# Altium PCB Udemy_Project.PcbDoc (part 2 of 2)
Units mm, origin at the board's own origin, x right, y up, seen from the top; angles counter-clockwise.
Board outline 107.1 x 94.1 mm, 4 copper layers (Top Layer, GROUND, POWER, Bottom Layer), stack 1.369 mm thick; 125 components, 88 nets, 445 pads, 147 vias.
Unrouted connection lines stored in the file: 2.
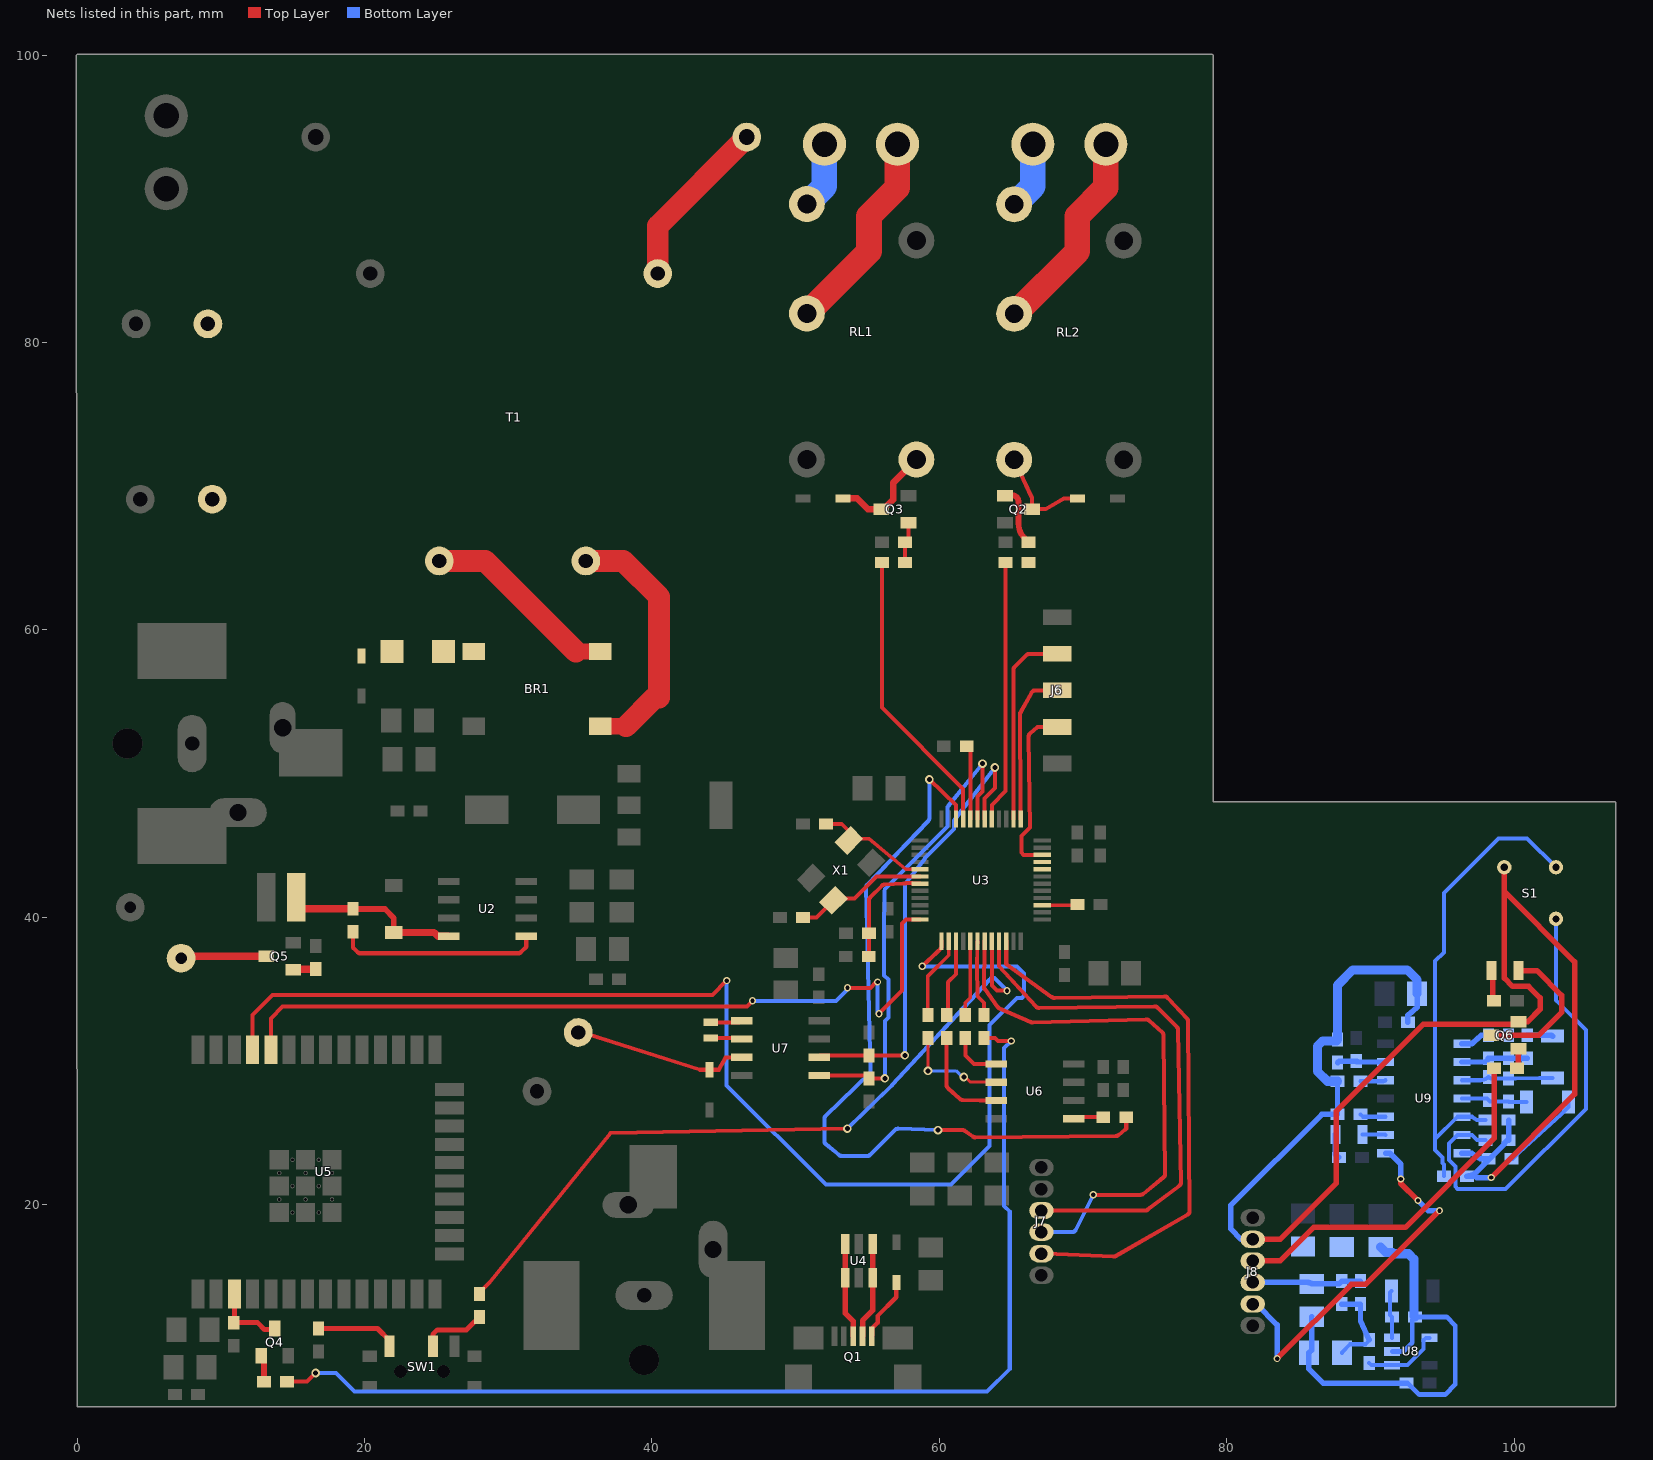
[diagram p4: the nets of this part, all layers, seen from the top]

## Via types
v1: diameter 0.6, hole 0.35, Top Layer to Bottom Layer, tented both sides, 103 vias
v2: diameter 0.5, hole 0.3, POWER to Bottom Layer, tented both sides, 22 vias
v3: diameter 0.5, hole 0.3, Top Layer to POWER, tented both sides, 21 vias
v4: diameter 0.5, hole 0.3, Top Layer to Bottom Layer, tented both sides, 1 vias

## Nets (pads, with @x,y where several pads share a name; then routed paths per layer and width w, separated by ;. In a path a pad name is that pad's centre, name@x,y a point inside that pad or via, vN(x,y) a via of type N, cw(c..) or ccw(c..) an arc to the next point about the centre after c; other vN are vias at no path point) (continued)
GND_S: C35.1 C37.1 C38.1 C39.1 C40.1 C41.2 C42.1 C43.1 C44.1 C45.1 C46.1 J8.2 Q6.2 R23.1 R24.1 R28.1 R32.1 R33.1 S1.3 U8.2 U9.7 | length 141
  Top Layer w0.381: J8.2@81.8,17.6 83.7,17.6 87.6,21.5 87.6,26.5 93.668,32.568 100.108,32.568 Q6.2@100.29,32.75 100.94,32.75 101.8,33.61 101.8,34.4 101,35.2 99.88,35.2 99.308,35.771 99.308,41.792 ; v2(98.4,21.9) 104.2,27.7 104.2,36.9 99.308,41.792 ; S1.3@99.308,43.492 99.308,41.792
  Bottom Layer w0.33: U8.2@91.5,9.8 92.3,9.8 92.9,10.4 92.9,12 R24.1@93.1,12.2 95.3,12.2 95.9,11.6 95.9,7.5 95.2,6.8 93.389,6.8 92.589,7.6 C37.1@92.5,7.6
  Bottom Layer w0.381: J8.2@81.8,17.6 81,17.6 80.281,18.319 80.281,19.974 86.607,26.3 R32.1@87.7,26.3 R33.1@87.7,28.6 ; C40.1@85.9,12.214 85.9,9.886 C39.1@85.714,9.7 85.714,8.586 86.7,7.6 C37.1@92.5,7.6 ; C43.1@92.6,32.7 92.6,33.194 93.243,33.75 C42.1@93.243,34.7 ; U9.7@96.36,23.59 97.05,23.59 97.617,23.2 R23.1@98.2,23.2 R23.1@98.289,23.2 ; v2(98.4,21.9) 97.383,21.9 97.283,22 C38.1@96.7,22 ccw(c96.7,22.939) 97.364,22.275 R23.1@98.289,23.2 ; R28.1@99.6,25.9 99.6,25.406 99.6,24.994 C35.1@99.6,24.5 99.511,24.5 99.308,24.297 99.308,24.219 R23.1@98.289,23.2
  Bottom Layer w0.635: R33.1@87.7,28.6 87,28.6 86.3,29.3 86.3,31.039 86.672,31.411 87.624,31.411 87.7,31.487 C41.2@87.7,31.5 87.7,35.272 88.774,36.346 92.547,36.346 93.243,35.65 C42.1@93.243,34.7 ; C44.1@90.7,17.057 91.083,16.675 91.53,16.675 91.604,16.6 92.639,16.6 93.011,16.228 93.011,12.276 93.087,12.2 R24.1@93.1,12.2
  other v3: 98.4,21.9
LED_DRIVER: J7.3 U3.21 | length 37.2
  Top Layer w0.279: U3.21@64.15,38.35 64.15,36.809 64.15,36.603 66.716,33.793 ccw(c66.922,33.981) 66.926,33.702 74.982,33.799 ; J7.3@67.1,19.6 74.307,19.6 ccw(c74.307,19.879) 74.475,19.656 76.685,21.314 ccw(c76.518,21.538) 76.797,21.542 ; 74.983,33.799 cw(c74.986,33.519) 75.183,33.717 76.52,32.38 ; 76.521,32.379 cw(c76.323,32.182) 76.602,32.187 76.797,21.543
LED_S: J8.3 R36.1 | length 25.2
  Top Layer w0.381: J8.3@81.8,16.1 83.7,16.1 86.039,18.439 92.421,18.439 98.6,24.618 R36.1@98.6,29.5
LIGHT_1_GND: J3.2 RL2.3 | length 4.7
  Bottom Layer w1.778: RL2.3@65.28,89.64 66.5,90.86 J3.2@66.5,93.8
LIGHT_1_VCC: J3.1 RL2.2 | length 14.4
  Top Layer w1.778: RL2.2@65.28,82.02 69.6,86.34 69.6,88.8 71.58,90.78 J3.1@71.58,93.8
LIGHT_2_GND: J5.2 RL1.3 | length 4.7
  Bottom Layer w1.778: RL1.3@50.78,89.64 52,90.86 J5.2@52,93.8
LIGHT_2_VCC: J5.1 RL1.2 | length 14.4
  Top Layer w1.778: RL1.2@50.78,82.02 55.1,86.34 55.1,88.8 57.08,90.78 J5.1@57.08,93.8
NetBR1_1: BR1.1 T1.9 | length 18.1
  Top Layer w1.143: BR1.1@36.4,53.295 38.195,53.295 38.2,53.3
  Top Layer w1.524: T1.9@35.4,64.8 38,64.8 40.5,62.3 40.5,55.3 40.2,55.3 38.2,53.3
NetBR1_2: BR1.2 T1.7 | length 13.8
  Top Layer w1.143: 34.7,58.5 34.705,58.505 BR1.2@36.4,58.505
  Top Layer w1.524: T1.7@25.2,64.8 28.4,64.8 34.7,58.5
NetBR1_3: BR1.3 F1.1
NetBZ1_1: BZ1.1 Q5.3 | length 6
  Top Layer w0.508: BZ1.1@7.236,37.164 7.371,37.3 Q5.3@13,37.3
  Top Layer w0.559: Q5.3@13,37.3 Q5.3@13.155,37.3
NetC8_1: C8.1 U2.1 | length 14.2
  Top Layer w0.3: C8.1@19.2,39 19.2,37.9 19.512,37.588 ccw(c19.724,37.8) 19.724,37.5 30.676,37.5 ccw(c30.676,37.8) 30.888,37.588 31.25,37.95 U2.1@31.25,38.695
NetC8_2: C8.2 D1.K L1.1 U2.8 | length 12.5
  Top Layer w0.3: L1.1@15.25,41.4 15.25,41.1 L1.1@15.75,40.6
  Top Layer w0.4: C8.2@19.2,40.581 21.419,40.581 22.035,39.965 D1.K@22.035,38.957
  Top Layer w0.5: L1.1@15.75,40.6 C8.2@19.2,40.6 ; D1.K@22.035,38.957 24.843,38.957 25.105,38.695 U2.8@25.85,38.695
NetC9_1: C9.1 C10.1 D8.2 F1.2
NetC15_1: C15.1 U3.5 X1.3 | length 8
  Top Layer w0.254: C15.1@52.1,46.5 53.2,46.5 53.694,46.006 X1.3@53.694,45.36 ; X1.3@53.818,45.483 55.083,45.483 57.669,43.35 U3.5@58.65,43.35
NetC16_1: C16.1 U3.6 X1.1 | length 9.3
  Top Layer w0.279: C16.1@50.5,40 51.446,40 X1.1@52.633,41.188 52.757,41.311 54.09,41.311 55.628,42.85 U3.6@58.65,42.85
NetC17_1: C17.1 R8.2 U3.7 | length 8
  Top Layer w0.279: C17.1@55.079,37.281 ccw(c55.029,37.331) 55.1,37.331 R8.2@55.1,38.9 55.1,39.675 55.1,41.184 cw(c55.379,41.184) 55.182,41.382 56.022,42.222 cw(c56.219,42.024) 56.21,42.304 57.491,42.344 57.54,42.346 ccw(c57.529,42.625) 57.665,42.381 58.093,42.381 58.114,42.36 58.64,42.36 U3.7@58.65,42.35
NetC27_1: C27.1 D6.1@44,29.4 U7.3 | length 11.7
  Top Layer w0.279: C27.1@35.5,31.9 43.344,29.4 D6.1@44,29.4 44.656,29.4 45.119,30.265 U7.3@46.25,30.265
NetC32_1: C32.1@99.6,27.2 C33.2 R25.1 U9.4 | length 4.6
  Bottom Layer w0.279: U9.4@96.36,27.4 98.1,27.4 98.3,27.2 C32.1@99.6,27.2 99.632,27.168 C33.2@100.86,27.168
NetC32_2: C32.2@99.6,28.8 C34.1 R25.2 U9.3 | length 6.4
  Bottom Layer w0.279: U9.3@96.36,28.67 97.644,28.67 ccw(c97.644,29.456) R25.2@98.2,28.9 ccw(c98.442,29.142) 98.442,28.8 C32.2@99.6,28.8 100.094,28.8 101.768,28.84 C34.1@102.668,28.84
NetC33_1: C33.1 R23.2 | length 5.7
  Bottom Layer w0.279: R23.2@99.8,23.2 99.889,23.2 100.354,23.664 103.239,26.297 103.76,26.818 C33.1@103.76,27.168
NetC34_2: C34.2 R26.1 | length 1.8
  Bottom Layer w0.381: R26.1@100.9,31.8 102.524,31.8 cw(c102.524,31.597) C34.2@102.668,31.74
NetC35_2: C35.2 S1.1 U9.6 | length 31.7
  Bottom Layer w0.279: C35.2@98,24.5 97.417,24.5 97.05,24.86 U9.6@96.36,24.86 96.06,24.86 95.453,24.252 95.453,23.107 95.9,22.659 95.9,21.264 96.064,21.1 99.4,21.1 104.984,26.684 104.984,32.153 102.9,34.237 S1.1@102.9,39.9
NetC36_1: C36.1 R26.2 R27.1 U9.2 | length 4.7
  Bottom Layer w0.381: U9.2@96.36,29.94 97.997,29.94 98.2,30.143 R27.1@98.2,30.2 C36.1@99.6,30.2 R26.2@100.9,30.2
NetC36_2: C36.2 R27.2 U9.1 | length 3.5
  Bottom Layer w0.381: U9.1@96.36,31.21 97.05,31.21 97.706,31.8 R27.2@98.2,31.8 98.694,31.8 99.106,31.8 C36.2@99.6,31.8
NetC38_2: C38.2 R28.2 S1.2 U9.5 | length 34.6
  Bottom Layer w0.279: 94.5,23.8 94.5,24.57 96.06,26.13 97.05,26.13 97.417,25.9 R28.2@98,25.9 ; 94.5,24.598 94.5,36.967 95.1,37.567 95.1,41.7 98.9,45.5 100.892,45.5 S1.2@102.9,43.492 ; 94.52,23.78 94.995,23.305 94.995,22.917 95.1,22.813 C38.2@95.1,22
NetC39_2: C39.2 R29.2 R30.1 R31.1 | length 6.3
  Bottom Layer w0.279: C39.2@88,9.7 88,9.74 88.56,10.3 89.646,10.3 89.9,10.554 R29.2@89.9,10.6
  Bottom Layer w0.381: R31.1@88,13.1 R30.1@89.3,13.1 89.3,11.935 R29.2@89.9,10.6
NetC41_1: C41.1 R35.1 U9.13 | length 3.4
  Bottom Layer w0.381: C41.1@87.7,29.9 cw(c87.941,29.659) 87.941,30 R35.1@89,30 ccw(c89.145,30.145) 89.145,29.94 U9.13@91.04,29.94
NetD2_2: D2.2 Q1.1 | length 4.5
  Top Layer w0.3: Q1.1@55.3,10.85 55.35,10.9 55.35,11.45 55.7,11.8 55.7,12.267 57,13.567 D2.2@57,14.6
NetD3_2: D3.2 Q3.3 RL1.4 | length 7.5
  Top Layer w0.45: D3.2@53.3,69.157 54.267,69.157 55.024,68.4 Q3.3@55.955,68.4 56.105,68.4 56.774,69.069 56.774,70.234 RL1.4@58.4,71.86
NetD4_2: D4.2 Q2.3 RL2.5 | length 7.1
  Top Layer w0.279: RL2.5@65.2,71.84 66.445,69.188 Q2.3@66.445,68.407 67.376,68.407 68.694,69.157 D4.2@69.6,69.157
NetD6_1: D6.1@89.45,24.9 U9.9 | length 1.6
  Bottom Layer w0.279: D6.1@89.45,24.9 90.943,24.9 cw(c90.943,24.763) U9.9@91.04,24.86
NetD6_2: D6.2@87.55,24.9 R34.1 | length 1.7
  Bottom Layer w0.381: D6.2@87.55,24.9 87.55,23.503 87.753,23.3 R34.1@87.8,23.3
NetD7_1: D7.1 Q6.3 | length 10.4
  Top Layer w0.381: Q6.3@98.4,31.8 101.7,31.8 103.3,33.4 103.3,34.577 101.577,36.3 D7.1@100.328,36.3
NetD7_2: D7.2 R37.2 | length 1.5
  Top Layer w0.381: D7.2@98.5,35.7 98.5,34.441 ccw(c98.841,34.441) R37.2@98.6,34.2
NetJ7_5: J7.5 U3.22 | length 40.2
  Top Layer w0.279: U3.22@64.65,38.35 64.65,36.75 67.825,34.454 ccw(c67.989,34.681) 67.991,34.401 75.677,34.498 ; J7.5@67.1,16.6 67.35,16.6 72.119,16.403 ccw(c72.13,16.682) 72.269,16.44 77.259,19.319 ccw(c77.119,19.561) 77.399,19.562 ; 75.678,34.498 cw(c75.68,34.219) 75.884,34.41 77.225,32.98 ; 77.226,32.979 cw(c77.021,32.789) 77.301,32.791 77.399,19.563
NetJ8_5: J8.5 U9.8 | length 26.4
  Top Layer w0.381: v2(83.5,9.3) 88.661,14.461 89.661,14.461 v3(94.8,19.6) ; v3(92.1,21.8) 92.1,21.5 v2(93.3,20.3)
  Bottom Layer w0.381: J8.5@81.8,13.1 82.05,13.1 83.5,11.65 v2(83.5,9.3) ; U9.8@91.04,23.59 91.34,23.59 92.1,22.83 v3(92.1,21.8) ; v2(93.3,20.3) 94,19.6 v3(94.8,19.6)
  other v2: 94.8,19.6 92.1,21.8
  other v3: 83.5,9.3 93.3,20.3
NetQ2_1: Q2.1 R2.2 R3.1 | length 4.2
  Top Layer w0.4: Q2.1@64.555,69.357 65.1,69.357 cw(c65.1,68.957) 65.5,68.958 65.5,67.4 ccw(c66.924,67.4) 65.918,66.392 R3.1@66.2,66.11
NetQ3_1: Q3.1 R4.2 R5.2 | length 2.9
  Top Layer w0.254: R5.2@57.6,64.7 R4.2@57.6,66.1 ccw(c57.6,66.345) 57.845,66.345 Q3.1@57.845,67.45
NetQ4_1: Q4.1 R14.2 | length 1.9
  Top Layer w0.4: Q4.1@12.8,9.5 cw(c12.317,9.017) 13,9.017 R14.2@13,7.7
NetQ5_1: Q5.1 R17.2 | length 1
  Top Layer w0.508: 15.6,36.4 R17.2@16.6,36.4
NetQ6_1: Q6.1 R36.2 | length 1.4
  Top Layer w0.381: R36.2@100.2,29.5 ccw(c99.983,29.717) 100.29,29.717 Q6.1@100.29,30.85
NetR1_2: R1.2 T1.1 | length 12.1
  Top Layer w1.524: T1.1@40.4,84.8 40.4,88.1 R1.2@46.6,94.3
NetR2_1: R2.1 U3.41 | length 18.2
  Top Layer w0.279: U3.41@63.65,46.85 63.65,47.831 64.6,48.781 R2.1@64.6,64.7
NetR5_1: R5.1 U3.45 | length 20.2
  Top Layer w0.279: R5.1@56,64.7 56,54.6 61.65,48.95 U3.45@61.65,46.85
NetR9_2: R9.2 U3.44 | length 5.2
  Top Layer w0.279: R9.2@61.9,51.9 62.15,51.646 U3.44@62.15,46.85
NetR12_1: R12.1 U3.18 | length 5.3
  Top Layer w0.254: U3.18@62.65,38.35 62.627,37.877 62.612,36.613 ccw(c63.7,36.6) 62.612,36.579 62.651,34.614 ccw(c62.905,34.618) 62.723,34.441 62.724,34.439 63.1,34.064 R12.1@63.1,33.2
NetR13_1: R13.1 U3.27 | length 2.5
  Top Layer w0.254: U3.27@67.15,40.85 69.55,40.85 ccw(c69.55,40.9) R13.1@69.6,40.9
NetR16_2: R16.2 SW1.2 | length 4.6
  Top Layer w0.35: SW1.2@24.75,10.15 24.75,10.988 25.062,11.3 27.1,11.3 27.692,11.892 27.781,11.892 28,12.111 R16.2@28,12.2
NetR18_1: R18.1 U6.5 | length 2.1
  Top Layer w0.279: U6.5@69.35,25.995 cw(c69.603,25.742) 69.603,26.1 R18.1@71.4,26.1
NetR19_1: R19.1 U6.1 | length 3.6
  Top Layer w0.279: R19.1@61.8,31.6 61.8,30.4 62.4,29.8 62.405,29.805 U6.1@63.95,29.805
NetR20_1: R20.1 U6.3 | length 7.2
  Top Layer w0.279: R20.1@60.5,31.6 60.5,28.324 ccw(c60.779,28.324) 60.592,28.117 61.423,27.369 ; 61.424,27.368 ccw(c61.61,27.577) 61.602,27.297 62.819,27.265 U6.3@63.95,27.265
NetR21_1: R21.1 U6.2 | length 7.3
  Top Layer w0.203: R21.1@59.2,31.6 59.208,31.591 v1(59.208,29.327) ; v1(61.7,28.9) 61.807,28.9 62.172,28.535 U6.2@63.95,28.535
  Bottom Layer w0.203: v1(59.208,29.327) 61.166,29.327 61.593,28.9 v1(61.7,28.9)
NetR22_1: R22.1 SW1.1 | length 5.7
  Top Layer w0.35: R22.1@16.8,11.4 20.9,11.4 21.75,10.55 SW1.1@21.75,10.15
NetR24_2: R24.2 RT1.1 U8.3 | length 3.4
  Bottom Layer w0.279: RT1.1@91.45,14 91.35,13.9 91.35,12.35 R24.2@91.5,12.2 91.5,11.706 ; U8.3@91.5,10.75 91.5,11.706
NetR29_1: R29.1 U8.1 U8.4 | length 5.4
  Bottom Layer w0.279: R29.1@89.9,9 90.05,8.85 U8.1@91.5,8.85 92.556,8.85 93.69,9.983 93.69,10.59 93.85,10.75 U8.4@94.1,10.75
NetR32_2: R32.2 U9.10 | length 1.8
  Bottom Layer w0.279: R32.2@89.3,26.3 89.47,26.13 U9.10@91.04,26.13
NetR33_2: R33.2 U9.12 | length 1.8
  Bottom Layer w0.279: R33.2@89.3,28.6 90.871,28.6 ccw(c90.871,28.839) U9.12@91.04,28.67
NetU7_1: U7.1 X2.2 | length 2.2
  Top Layer w0.279: X2.2@44.1,32.7 45.997,32.7 ccw(c45.997,33.058) U7.1@46.25,32.805
NetU7_2: U7.2 X2.1 | length 2.2
  Top Layer w0.279: X2.1@44.1,31.6 46.093,31.6 cw(c46.093,31.378) U7.2@46.25,31.535
RTC_SCL: R6.1 U3.42 U7.6 | length 32.2
  Top Layer w0.279: U7.6@51.65,30.265 cw(c51.785,30.265) 51.785,30.4 R6.1@55.1,30.4 55.875,30.4 v1(57.6,30.4) ; U3.42@63.15,46.85 63.15,48.278 63.861,48.989 v1(63.861,50.43)
  Bottom Layer w0.279: v1(57.6,30.4) 57.6,42.205 cw(c57.879,42.205) 57.658,42.375 59.006,44.125 59.03,44.153 61.014,46.137 61.014,46.639 61.014,46.734 61.072,46.809 v1(63.861,50.43)
RTC_SDA: R7.1 U3.43 U7.5 | length 33.4
  Top Layer w0.279: U7.5@51.65,28.995 54.905,28.995 cw(c54.905,28.8) R7.1@55.1,28.8 55.875,28.8 v1(56.2,28.8) ; U3.43@62.65,46.85 62.65,48.425 63,48.775 v1(63,50.7)
  Bottom Layer w0.279: v1(56.2,28.8) 56.2,32.789 56.444,33.033 56.444,35.667 56.156,35.954 56.156,38.907 cw(c56.436,38.907) 56.156,38.91 56.195,41.853 56.197,41.966 56.277,42.047 60.557,46.327 60.557,47.584 60.557,47.682 60.619,47.759 v1(63,50.7)
SENSOR_ON/OFF: R16.1 U3.20 | length 51.2
  Top Layer w0.279: R16.1@28,13.8 28,13.889 28.663,14.552 37.114,24.988 v1(53.6,25.3) ; U3.20@63.65,38.35 63.65,35.25 64,34.9 v3(64.7,34.9)
  Bottom Layer w0.279: v1(53.6,25.3) 56.684,28.303 ccw(c56.2,28.8) 56.71,28.329 63.503,35.686 63.592,35.776 63.824,35.776 v3(64.7,34.9)
  other v2: 64.7,34.9
SWCLK: J6.3 U3.37 | length 10.8
  Top Layer w0.279: U3.37@65.65,46.85 65.65,47.831 65.609,54.122 65.609,54.124 cw(c65.888,54.124) 65.644,54.259 66.421,55.657 cw(c66.664,55.521) 66.664,55.8 J6.3@68.2,55.8
SWDIO: J6.2 U3.34 | length 12.2
  Top Layer w0.279: U3.34@67.15,44.35 65.864,44.35 65.7,44.514 65.7,45.664 66.302,46.266 66.202,52.574 cw(c66.481,52.578) 66.294,52.785 66.819,53.26 J6.2@68.2,53.26
TDI: J6.4 U3.38 | length 13.9
  Top Layer w0.279: U3.38@65.15,46.85 65.15,57.235 cw(c65.429,57.234) 65.231,57.431 66.059,58.259 cw(c66.256,58.061) 66.255,58.34 ; 66.256,58.34 J6.4@68.2,58.34
TEMP_ADC: C40.2 J8.4 R30.2 R31.2 | length 7.6
  Bottom Layer w0.381: J8.4@81.8,14.6 85.659,14.6 cw(c85.659,14.259) C40.2@85.9,14.5 87.8,14.5 R31.2@88,14.7 R30.2@89.3,14.7
TEMP_IN_CS: R21.2 U3.14 | length 5.8
  Top Layer w0.254: R21.2@59.2,33.2 59.2,35.919 60.65,37.369 U3.14@60.65,38.35
TEMP_IN_OT: R18.2 U3.46 | length 55.2
  Top Layer w0.279: v1@59.358,49.542 v1(59.3,49.6) 61.15,47.831 U3.46@61.15,46.85 ; v1(59.9,25.2) 61.61,25.2 cw(c61.61,24.921) 61.773,25.148 62.326,24.753 ; 62.327,24.752 ccw(c62.488,24.98) 62.491,24.701 72.3,24.799 ; 72.301,24.799 ccw(c72.298,25.078) 72.477,24.864 72.934,25.245 ccw(c72.755,25.46) 73,25.325 R18.2@73,26.1
  Bottom Layer w0.279: 53.023,23.463 52.102,24.216 cw(c52.279,24.432) 52,24.432 52,25.982 cw(c52.279,25.982) 52.084,26.182 55.197,29.219 54.903,42.085 cw(c55.182,42.091) 54.98,42.284 59.222,46.718 ccw(c59.021,46.912) 59.3,46.912 v1(59.3,49.6) ; 53.023,23.463 ccw(c53.2,23.679) 53.2,23.4 54.984,23.4 ccw(c54.984,23.679) 55.181,23.481 56.914,25.214 cw(c57.112,25.017) 57.121,25.296 v1(59.9,25.2)
TEMP_IN_SCLK: R19.2 U3.17 | length 5.3
  Top Layer w0.254: R19.2@61.8,33.2 61.8,34.064 62.15,34.414 U3.17@62.15,38.35
TEMP_IN_SIO: R20.2 U3.15 | length 5.4
  Top Layer w0.254: R20.2@60.5,33.2 ccw(c60.259,33.442) 60.6,33.442 60.6,35.5 61.15,36.05 U3.15@61.15,38.35
TEMPERATURE_ADC: J7.4 U3.19 | length 37.5
  Top Layer w0.279: 63.101,35.191 ccw(c63.381,35.188) 63.154,35.024 64.055,33.763 ccw(c64.282,33.925) 64.17,33.669 66.343,32.725 ccw(c66.455,32.981) 66.462,32.702 74.388,32.897 ; 63.101,35.192 63.14,37.89 U3.19@63.15,38.35 ; v3(70.7,20.7) 74.001,20.7 ccw(c74.001,20.979) 74.177,20.763 75.595,21.915 ccw(c75.419,22.132) 75.699,22.134 ; 74.389,32.897 cw(c74.395,32.618) 74.583,32.825 75.51,31.982 ; 75.51,31.982 cw(c75.322,31.775) 75.601,31.778 75.699,22.135
  Bottom Layer w0.279: J7.4@67.1,18.1 69.228,18.1 ccw(c69.227,18.379) 69.477,18.254 v3(70.7,20.7)
  other v2: 70.7,20.7
USB_MCU_N: U3.32
USB_MCU_P: U3.33
USB_N: Q1.2 U4.1 U4.6 | length 6.7
  Top Layer w0.381: Q1.2@54.65,10.85 54.65,11.95 55.35,12.65 U4.6@55.35,14.925 U4.1@55.35,17.275
USB_P: Q1.3 U4.3 U4.4 | length 6.7
  Top Layer w0.381: U4.3@53.45,17.275 U4.4@53.45,14.925 53.45,12.456 54,11.906 Q1.3@54,10.85
WI-FI_RXD: U3.12 U5.34 | length 56.1
  Top Layer w0.279: U5.34@13.48,30.8 13.48,32.98 14.3,33.8 46.6,33.8 v3(47,34.2) ; v2(53.6,35.1) 55.2,35.1 55.6,35.5 v3(55.7,35.5) ; v2(55.8,33.3) 57.4,34.9 57.4,39.589 57.661,39.85 U3.12@58.65,39.85
  Bottom Layer w0.279: v3(47,34.2) 52.8,34.2 53.6,35 v2(53.6,35.1) ; v3(55.7,35.5) 55.7,33.4 v2(55.8,33.3)
  other v2: 47,34.2 55.7,35.5
  other v3: 55.8,33.3 53.6,35.1
WI-FI_TXD: U3.13 U5.35 | length 88.8
  Top Layer w0.279: U5.35@12.21,30.8 12.21,33.21 13.6,34.6 44.2,34.6 v3(45.2,35.6) ; v2(58.8,36.6) 59.929,37.679 60.15,37.9 U3.13@60.15,38.35
  Bottom Layer w0.279: v3(45.2,35.6) 45.2,28.3 52.1,21.4 60.8,21.4 63.5,24.1 63.5,32.5 65.4,34.4 65.736,34.4 65.9,34.564 65.9,36.1 65.4,36.6 v2(58.8,36.6)
  other v2: 45.2,35.6
  other v3: 58.8,36.6
WIFI_EN: R12.2 R14.1 | length 76.9
  Top Layer w0.279: R14.1@14.6,7.7 16,7.7 v1(16.6,8.3) ; R12.2@63.1,31.6 63.875,31.6 64.075,31.4 v2(65,31.4)
  Bottom Layer w0.279: v1(16.6,8.3) 18,8.3 19.3,7 63.3,7 64.894,8.594 64.894,19.526 64.506,19.914 64.506,30.906 v2(65,31.4)
  other v3: 65,31.4
WIFI_OUT: Q4.3 R15.1 U5.3 | length 5.1
  Top Layer w0.35: U5.3@10.94,13.8 10.94,11.84 R15.1@10.9,11.8 12.559,11.8 13.03,11.329 13.689,11.329 Q4.3@13.75,11.39
pads on no net: J1. J4. J7.6 J8.6 Q1. Q1.4 RL1.1 RL2.1 SW1. SW1.3 SW1.S1 SW1.S2 SW1.S3 SW1.S4 U2.2 U2.3 U2.5 U3.1 U3.2 U3.3 U3.4 U3.10 U3.11 U3.16 U3.25 U3.26 U3.28 U3.29 U3.30 U3.31 U3.39 U3.40 U5.4 U5.5 U5.6 U5.7 U5.8 U5.9 U5.10 U5.11 U5.12 U5.13 U5.14 U5.15 U5.16 U5.17 U5.18 U5.19 U5.20 U5.21 U5.22 U5.23 U5.24 U5.25 U5.26 U5.27 U5.28 U5.29 U5.30 U5.31 U5.32 U5.33 U5.36 U5.37 U5.38 U5.39 U6.6 U6.7 U7.7 U9.11

## Polygon pours and split planes (outlines as drawn)
GND on Top Layer "GND_L01_P021" (solid, remove dead copper, pour order 21): 4.6,83.3 2.6,83.4 1.8,81.7 2.2,36.1 6.6,32.7 26.6,32.7 28.6,29.7 29.4,10 33.8,7.1 74.2,7.1 77.3,9.7 76.6,72.7 72.5,74.7 51.617,75.467 46.574,72.274 42.857,63.604 42.8,63.2 43.1,56.9 39.8,52.9 37.4,51.9 29.6,52.2 28.7,54.7 11.6,59.3 6.7,67.1 5.8,82.6
GND_S on Top Layer "GND_S_L01_P029" (solid, remove dead copper, pour order 29): 104.313,47.322 106.113,45.522 106.213,45.522 106.213,8.422 106.313,8.322 105.413,7.422 81.213,7.422 80.113,8.522 80.113,44.822 82.713,47.422
GND on Top Layer "GND_L01_P019" (solid, pour order 19): 9,15.4 9,12.8 7.8,12.2 7.5,6.7 7.367,6.5 5.825,6.5 5.6,6.8 5.8,12.3 5.7,20.6 10.1,24.4 18.9,24.6 20,23.7 19.9,18.5 18,17.4 10.5,17.3
12VDC on Top Layer "12VDC_L01_P018" (solid, pour order 18): 13.9,49.3 22.4,49.4 23.2,50.1 23.2,54.6 21.9,56.2 19.2,56.3 17.2,55.1 13.9,55.2 12.7,54.3 12.7,50.4
5VDC on Top Layer "5VDC_L01_P012" (solid, pour order 12): 36.8,35.3 36.8,36.72 36.3,37.12 36.3,38.45 36.053,38.819 35.617,39 34.135,39 33.9,38.765 33.9,37.4 34.6,36.7 34.8,36.7 35.3,36.7 35.3,35.3 35.6,35 36.5,35
3V3DC on Top Layer "3V3DC_L01_P016" (solid, pour order 16): 9,14.85 9,12.5 8.8,12.3 8.4,12.3 8.2,12.1 8.2,9.7 8,9.5 8,7.5 7.7,7.2 7.7,6.6 7.9,6.4 9.2,6.4 9.9,7.1 9.9,12.3 10.3,12.7 10.3,14.8 9.9,15.2 9.35,15.2
3V3DC on Top Layer "3V3DC_L01_P015" (solid, pour order 15): 57.557,21.8 68.1,21.8 68.5,22.2 68.5,23.2 67.4,24.3 57.8,24.3 56.6,23.1 56.6,22.4 57.2,21.8 57.7,21.8 57.629,21.794
3V3DC on Top Layer "3V3DC_L01_P014" (solid, pour order 14): 38.9,46.4 37.7,46.4 37.3,46 37.3,45 36.1,43.8 34.6,43.8 34.2,43.4 34.2,42.2 34.291,42.125 34.724,41.866 34.883,41.8 38.8,41.8 39,42 39,44.4 39.4,44.8 39.4,45.9
5VDC on Top Layer "5VDC_L01_P013" (solid, pour order 13): 36.7,46.3 36.9,46.5 36.9,48.5 37.2,48.8 39,48.8 39.5,49.3 39.5,50.5 39.1,50.9 37.2,50.9 36.4,50.1 36.4,49.4 36.1,49.1 33.6,49.1 32.8,48.3 32.8,46.7 33.2,46.3
NetC9_1 on Top Layer "NETC9_1_L01_P002" (solid, pour order 2): 11.977,69.377 22.91,59.8 22.91,58.11 22.3,57.5 18.9,57.5 7.4,69 7.4,82.1 8,82.7 9.5,82.7 10.991,82.7 11.617,82.092
GND on Bottom Layer "Bottom Layer-GND" (solid, pour order 24): 14.677,7 66.8,7 76.9,17.1 76.9,66 ccw(c74.701,63.674) 76.552,66.285 75.305,67.17 ccw(c71.585,61.928) 74.2,67.8 49.4,67.8 39,57.4 38.4,58 9.5,58 6.5,61 6.5,70 5.2,71.3 3.1,71.3 1.5,69.7 1.5,58.4 3.7,56.2 3.7,43.3 14.5,32.5 14.5,18.7 9.1,13.3 9.129,12.375
GND_S on Bottom Layer "GND_S_L04_P027" (solid, remove dead copper, pour order 27): 82.3,47.1 80.5,45.3 80.4,45.3 80.4,8.2 80.3,8.1 81.2,7.2 105.4,7.2 106.5,8.3 106.5,44.6 103.9,47.2
3V3DC on POWER (split plane): 78.54,49.238 78.491,49.183 78.437,49.098 78.398,49.007 78.373,48.91 78.363,48.81 77.67,6.46 0.51,6.46 0.507,12.8 7.3,12.8 7.3,32 0.5,32 0.5,25.471 0.46,99.54 78.54,99.54
12VDC on POWER (split plane): 75.018,73.183 75.018,69.817 72.283,67.082 50.302,67.082 50.229,67.072 50.161,67.044 50.103,66.999 50.058,66.941 50.03,66.873 50.02,66.8 50.02,66.6 50.02,58.219 45.6,53.798 33.607,54.082 33.603,54.081 33.6,54.082 23.8,54.082 23.727,54.072 23.659,54.044 23.601,53.999 23.556,53.941 23.528,53.873 23.518,53.8 23.518,52.1 23.518,51.217 21.783,49.482 13.117,49.482 12.582,50.017 12.582,55.183 13.317,55.918 43.5,55.918 43.573,55.928 43.621,55.948 43.641,55.956 43.699,56.001 48.099,60.401 48.119,60.426 48.144,60.459 48.172,60.527 48.182,60.6 48.182,72.983 49.317,74.118 52.183,74.118 52.818,73.483 52.818,71.4 52.828,71.327 52.848,71.279 52.856,71.259 52.901,71.201 54.901,69.201 54.959,69.156 55.027,69.128 55.1,69.118 68.2,69.118 68.273,69.128 68.321,69.148 68.341,69.156 68.399,69.201 70.699,71.501 70.744,71.559 70.772,71.627 70.782,71.7 70.782,73.783 71.117,74.118 74.083,74.118
3V3DC_S on POWER (split plane): 106.54,8 106.54,6.46 79.541,6.46 80.018,47.54 106.54,47.54
5VDC on POWER (split plane): 42.386,51.746 37.039,48.998 37.02,48.985 37,48.974 36.988,48.965 36.976,48.957 36.96,48.941 36.942,48.926 33.028,44.969 33.009,44.946 32.99,44.924 32.986,44.917 32.981,44.911 32.967,44.885 32.952,44.859 32.949,44.852 32.946,44.845 32.937,44.816 32.927,44.788 32.926,44.78 32.924,44.773 32.921,44.743 32.917,44.714 32.918,44.706 32.917,44.698 32.92,44.669 32.922,44.639 33.422,41.539 33.425,41.528 33.427,41.516 33.435,41.491 33.441,41.466 33.446,41.456 33.45,41.444 33.463,41.422 33.474,41.399 33.481,41.39 33.487,41.379 33.504,41.36 33.52,41.339 33.529,41.331 33.536,41.322 33.557,41.307 33.576,41.29 33.586,41.284 33.596,41.276 38.183,38.379 38.212,38.365 38.241,38.349 38.245,38.348 38.25,38.345 38.281,38.337 38.312,38.327 38.317,38.327 38.317,33.6 38.325,33.525 38.346,33.453 38.382,33.387 38.429,33.329 39.617,32.141 39.617,26 39.625,25.925 39.646,25.853 39.682,25.787 39.729,25.729 42.202,23.257 42.024,21.388 41.091,18.963 38.474,17.429 36.598,18.245 37.382,31.878 37.382,31.882 37.383,31.887 37.381,31.92 37.379,31.953 37.378,31.957 37.378,31.962 37.369,31.994 37.362,32.026 37.36,32.03 37.359,32.034 37.344,32.064 37.33,32.094 37.327,32.098 37.326,32.102 36.026,34.202 36.009,34.223 35.993,34.246 35.986,34.253 35.98,34.261 35.959,34.279 35.94,34.299 35.931,34.304 35.924,34.311 35.9,34.325 35.877,34.34 35.867,34.343 35.859,34.348 35.833,34.357 35.807,34.368 31.251,35.696 30.101,45.765 32.145,47.902 38.146,51.739 40.009,52.111
GND on GROUND (split plane): 78,99.3 0.7,99.3 0.7,83.2 13.3,83.2 13.3,60.7 47.2,60.7 47.2,83.2 78.062,83.2 78.197,48.275 78.098,6.46 0.51,6.46 0.507,12.9 7.9,12.9 7.9,31.9 0.5,31.9 0.5,25.476 0.46,99.54 77.999,99.54
GND_S on GROUND (split plane): 106.54,8 106.54,6.46 79.704,6.46 79.802,47.54 106.54,47.54

## Keep-outs
Keep-Out Layer:
  the board outline again, w0.254

## Other copper
Top Layer:
  region net 3V3DC: 55.2,26.8 55.6,26.8 55.8,26.6 55.6,26.4 55.5,26.4 55.2,26.7
  region net 3V3DC: 16.3,10.3 18.133,10.8 18.9,10.8 19.3,10.4 19.3,9.7 18.7,9.1 16.7,9.1 16.2,9.4 16.2,10.3
  region net LED_S: 83,16.1 82.4,16.7 81.1,16.7 80.8,16.4 80.8,15.8 81.1,15.5 82.5,15.5 83,16
  region net GND_S: 82.6,18.2 80.9,18.2 80.6,17.9 80.6,17.3 80.9,17 82.6,17 83.1,17.5 83.1,17.7
  region net 3V3DC_S: 81.5,20.1 80.8,19.4 80.8,18.7 81,18.5 82.6,18.5 82.9,18.8 82.9,19.6 82.4,20.1
  region net 5VDC: 34.853,39 34.135,39 33.9,38.765 33.9,38 34.5,37.4 35.4,38.3 35.4,38.6
  region net 3V3DC: 17.3,9.2 17.7,8.7 18,8.7 18.3,9.2
  region net 3V3DC: 11.3,9.4 10.9,9.123 10.4,9.4
  region net 3V3DC: 9.9,11.2 10.4,10.8 11.3,10.8 11.6,10.5 11.6,9.816 11.3,9.4 10.4,9.4 9.7,9
  region net NetQ2_1: 65.448,66.773 65.4,66.3 65.9,66.8
  region net NetQ2_1: 65.4,66.3 65.9,66.8 66.7,66.8 67,66.6 67,64.4 66.7,64 65.7,64 65.4,64.3
  region net NetQ3_1: 56.9,67.7 57.4,68.2 58.384,68.2 58.69,67.936 58.763,67.449 58.649,66.999 58.5,66.8 58.5,64.4 58.1,63.9 57.4,63.9 56.9,64.3
  region net 5VDC: 21.5,47.9 21.7,48.1 22.8,48.1 23.1,47.8 23.1,46.5 23.3,46.3 23.3,45.3 22.8,44.8 21.6,44.8 21.1,45.3 21.1,47.3
  region net 12VDC: 49.5,70.6 50,70.1 50,68.5 50.2,68.3 50.9,68.3 51.3,68.7 51.3,70.5 52.3,71.5 52.3,72.9 51.7,73.5 50.2,73.5 49.96,73.207 49.5,72.7 50.2,73.4 49.5,72.7
  region net 12VDC: 72.9,68.7 73.1,68.9 73.1,70.1 74.5,71.5 74.5,72.6 73.9,73.2 71.9,73.2 71.4,72.7 71.4,71 72.1,70.3 72.1,69.6 71.8,69.6 71.5,69.3 71.5,68.9 71.7,68.7
  region net NetBR1_3: 27.8,59.9 25.3,59.9 24.6,59.2 24.6,57.7 25.2,57.1 27.9,57.1 28.5,57.7 28.5,59.2
Bottom Layer:
  region net GND_S: 81.2,18.2 80.4,18.2 81,17.6
  region net 3V3DC_S: 92.308,19.972 92.233,19.468 92.2,19.3 91.9,19.6 91.9,19.8
  region net 3V3DC_S: 92.2,20.2 91.9,20.2 92,20.1 92.308,19.972 92.4,20.034 92.4,20.1
  region net 3V3DC_S: 89.4,21 88.6,20.2 90.1,20.2 89.4,20.9
  region net 3V3DC_S: 91.417,30.8 88.7,30.8 88.4,31.1 88.4,35.2 89,35.8 91.5,35.8 91.8,35.5 91.8,31.068 91.628,30.926
  region net 3V3DC_S: 92.1,19 92.5,18.4 92.3,18.2 91.6,18.6
  region net LED_S: 82.95,16.15 82.35,16.75 81.05,16.75 80.75,16.45 80.75,15.85 81.05,15.55 82.45,15.55 82.95,16.05
  region net GND_S: 84.714,15.5 91.5,15.5 92.65,16.65 91.4,17.9 82.9,17.9 82.6,18.2 81.2,18.2 80.8,17.8 80.8,17.5 81.3,17 83.429,17
  region net 3V3DC_S: 80.925,18.5 92,18.5 92.2,18.7 92.2,19.9 91.8,20.3 81.2,20.3 80.7,19.8 80.7,18.8
  region net 5VDC: 39.923,20.344 38.567,21.7 38.283,21.7 37.533,21.39 36.811,20.666 36.7,20.5 39.7,20.5
GROUND (plane layer: these items are gaps in the copper):
  rectangle: 0.5,12.9 7.9,31.9
  rectangle: 0.7,83.2 78.6,99.3
  rectangle: 13.3,60.7 47.2,98.2
  rectangle: 13.3,60.7 47.2,98.2
  rectangle: 0.7,83.2 78.6,99.3
  lines w1: 78.5,99.9 78.7,48.2 ; 78.6,6.1 78.7,48.4 ; 79.2,5.9 79.3,47.8
POWER (plane layer: these items are gaps in the copper):
  rectangle: 0.5,12.8 7.3,32
  lines w0.559: 12.3,49.9 13,49.2 17.6,49.2 21.9,49.2 23.8,51.1 23.8,52.1 23.8,53.8 33.6,53.8 45.714,53.514 50.302,58.102 50.302,66.6 50.302,66.8 72.4,66.8 75.3,69.7 75.3,73.3 74.2,74.4 71,74.4 70.5,73.9 70.5,71.7 68.2,69.4 55.1,69.4 53.1,71.4 53.1,73.6 52.3,74.4 49.2,74.4 47.9,73.1 47.9,60.6 43.5,56.2 21.4,56.2 18.9,56.2 13.2,56.2 12.3,55.3 12.3,49.9
  lines w0.762: 29.7,45.9 30.9,35.4 35.7,34 37,31.9 36.2,18 38.5,17 41.4,18.7 42.4,21.3 42.6,23.4 40,26 40,32.3 38.7,33.6 38.7,38.7 38.697,38.703 38.387,38.703 33.8,41.6 33.3,44.7 37.214,48.657 43.611,51.944 40,52.5 38,52.1 31.9,48.2 29.7,45.9
  lines w1.27: 79,48.8 78.3,6 78.9,6.1 79.4,49.2

## Silkscreen, mask and mechanical layers (free items; w line width, h text height)
Top Overlay:
  lines w0.2: 1.3,10.4 ccw(c2.187,9.407) 1.332,8.388 ; 1.75,8.635 cw(c2.187,9.393) 1.75,10.15 ; 2.05,9.9 ccw(c2.608,9.432) 2.14,8.874
  text "WiFi_sec._det._v01" at 77.133,31.9 h1 r90
  text "CENGIZHAN KAHRAMAN" at 105.8,9.25 h1.5 r90
Bottom Overlay:
  lines w0.15: 85.2,35.5 85.2,27.8 86.4,27.8 ; 85.8,27.4 86.4,27.8 ; 85.8,28.3 86.4,27.8 ; 86.9,25.6 86.9,32.4 89.5,32.4 ; 97.8,32.9 101.5,32.9 101.5,29.2 100.3,29.2 100.3,22.4 97.5,22.5 97.5,33 98.4,33 ; 98.6,20.8 99,21.7 ; 100.9,14.5 99.2,14.6 99,21.7 ; 101.3,10.2 106.2,10.2 106,20 100.8,20 101,10.2 101.6,10.2 ; 99,21.7 99.5,20.9 99,21.7 ; 83.8,35.5 83.8,41.2 86.6,41.2 86.6,35.5 83.8,35.5
  text "WiFi_sec._det._v01" at 81.533,47.2 h1 r90
  text "MAIN CARD" at 76.3,16.5 h1 r90
Drill Guide:
  lines w0.1: 49,6 105,6 107,6 107,8 ; 61,6 0,6 0,100 79,100 79,48 107,48 107,7
Route Tool Path:
  lines w0.15: 78.931,9.018 78.931,9.118 ; 78.931,9.318 78.931,9.418 ; 78.931,9.618 78.931,9.718 ; 78.959,16.032 78.959,16.132 ; 78.959,16.332 78.959,16.432 ; 78.959,16.632 78.959,16.732 ; 78.987,23.046 78.987,23.146 ; 78.987,23.346 78.987,23.446 ; 78.987,23.646 78.987,23.746 ; 79,44 79,44.1 ; 79,44.3 79,44.4 ; 79,44.6 79,44.7 ; 79.015,30.059 79.015,30.159 ; 79.015,30.359 79.015,30.459 ; 79.015,30.659 79.015,30.759 ; 79.044,37.073 79.044,37.173 ; 79.044,37.373 79.044,37.473 ; 79.044,37.673 79.044,37.773 ; 79.231,9.018 79.231,9.118 ; 79.231,9.318 79.231,9.418 ; 79.231,9.618 79.231,9.718 ; 79.259,16.032 79.259,16.132 ; 79.259,16.332 79.259,16.432 ; 79.259,16.632 79.259,16.732 ; 79.287,23.046 79.287,23.146 ; 79.287,23.346 79.287,23.446 ; 79.287,23.646 79.287,23.746 ; 79.3,44 79.3,44.1 ; 79.3,44.3 79.3,44.4 ; 79.3,44.6 79.3,44.7 ; 79.315,30.059 79.315,30.159 ; 79.315,30.359 79.315,30.459 ; 79.315,30.659 79.315,30.759 ; 79.344,37.073 79.344,37.173 ; 79.344,37.373 79.344,37.473 ; 79.344,37.673 79.344,37.773
  lines w0.5: -0.3,12.75 -0.3,32.45 -0.2,32.45 ; 0,32.25 0.05,32.25 0.05,13.1 ; 0.25,13.05 0.3,13.05 0.3,17.25 ; 0.35,31.95 6.95,31.95 ; 79.2,48.15 95.4,48.2 107.25,48.2 107.25,5.75 -0.3,5.75 -0.3,12.9 7.5,12.9 7.5,32.45 -0.2,32.45 ; 79.2,48.35 79.2,100.25 -0.2,100.25 -0.2,32.45 ; 0.35,32.25 7.1,32.25 ; 0.35,32.25 0.35,14.35 1.25,14.35 1.25,15.7 3.95,15.7 3.95,28.8 3.65,28.8 3.65,16.05 4.4,16.05 4.4,29.1 3.45,29.1 3.45,15.7 4.7,15.7 4.7,29.45 3.05,29.45 3.05,15.4 5.05,15.4 5.05,29.85 2.6,29.85 2.6,15.1 5.45,15.1 5.45,30.15 2.3,30.15 2.3,14.7 5.8,14.7 5.8,30.55 1.85,30.55 1.85,14.3 6.2,14.3 6.2,30.95 1.4,30.95 1.4,13.9 6.45,13.9 6.45,31.35 1,31.35 1,13.6 6.8,13.6 6.8,31.75 0.55,31.75 0.55,13.25 7.1,13.25 7.1,32.25 ; 0.35,32.25 7.1,32.25
  lines w0.508: 79.031,5.818 79.031,8.518 ; 79.059,10.132 79.059,12.832 79.059,15.532 ; 79.087,17.146 79.087,19.846 79.087,22.546 ; 79.115,24.159 79.115,26.859 79.115,29.559 ; 79.144,31.173 79.144,33.873 79.144,36.573 ; 79.172,38.186 79.172,40.886 79.172,43.586 ; 79.2,45.2 79.2,48.15

## Text inside footprints (layer, text, board x,y; h text height)
J7: Top Overlay "1" at 69.146,24.804 h1.52 r90
J8: Bottom Overlay "1" at 79.754,21.304 h1.52 r270
S1: Top Overlay "G" at 97.858,41.85 h1; Top Overlay "S" at 103.758,42.05 h1; Top Overlay "D" at 101.158,39.25 h1
T1: Top Overlay "Output" at 40.754,59.087 h1; Top Overlay "Input" at 15.854,89.387 h1